# KiCad board poly_kb.kicad_pcb (continued)
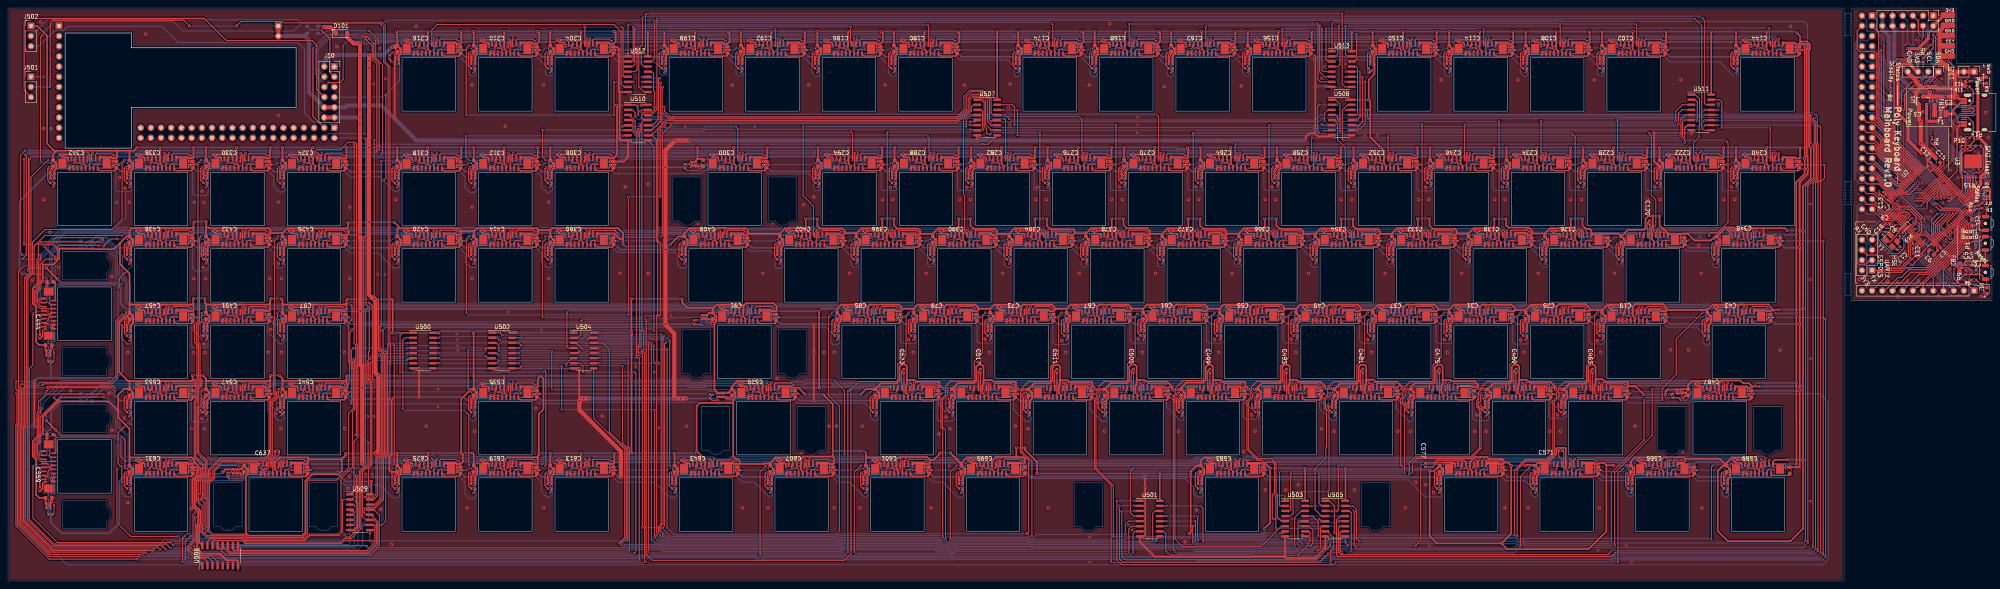
[diagram p0: board, top side]
## Routing (per net, layer and track width the routed paths; a pad name or vN(x,y) marks a point on that pad's centre or on a via; arc(x,y) is an arc through that point) (continued)
SHIFTR_LATCH_CLK: length 973.1
  Top w0.25: v2(163.46,116.37) 164.59,115.24 236.3,115.24 238.56,117.5 238.56,120.7 239.88,122.02 242.47,122.02 244.4,120.09 244.4,114.94 v2(244.78,114.55) ; v2(157.22,56.71) 156.92,57.02 156.92,58.59 157.27,58.94 157.27,112.02 157.41,112.17 157.41,113.73 v2(157.27,113.87) ; v2(107.36,56.86) 107.33,56.83 U500.12 ; v2(147.29,56.71) 147.17,56.83 U504.12 ; v2(93.96,57.4) 94.1,57.26 94.1,31.75 93.11,30.76 93.11,20.38 91.07,18.33 89.11,18.33 88.66,17.89 88.66,16.98 89.13,16.51 U509.12 90.38,16.51 92.1,14.8 92.1,9.16 89.76,6.82 55.17,6.82 53.46,8.53 U506.12 ; 159.32,113.67 160.54,113.67 v2(160.75,113.89) 161.87,115.01 v2(161.87,116.76) 161.97,116.87 161.97,125.07 v2(162.28,125.37) ; v2(91.18,109.97) 91.18,71.18 92.25,70.11 92.25,57.59 v2(92.46,57.38) ; U512.12 159.29,125.7 v2(157.94,125.7) ; v2(127.2,56.84) 127.19,56.83 U502.12
  Top w0.254: v2(336.68,127.03) 336.68,115.74 v2(336.11,115.17) 335.88,114.94 U508.12 ; v2(422.53,116.26) 422.57,116.21 U511.12 425.47,116.21 v2(425.48,116.21) ; U507.12 245.17,114.94 v2(244.78,114.55) ; v2(449.12,116.21) 448.91,115.99 448.91,109.23 449.58,108.57 449.58,100.39 447.62,98.44 447.62,29.91 447.57,29.86 v2(447.57,9.98) ; U513.12 334.56,127.03 v2(333.15,127.03) ; v2(322.27,9.32) 321.2,10.38 321.2,14.55 321.58,14.92 U503.12 321.58,14.92 v2(321.54,14.88) ; U501.12 288.43,14.92 v2(288.44,14.91) ; U505.12 331.52,14.92 v2(331.51,14.92) ; v2(295.63,14.86) 295.7,14.79 295.7,10.26 v2(295.59,10.15)
  Top w0.292: U2.80 474.89,102.45 474.88,102.45 474.87,102.46 474.87,102.47 472.36,104.98 472.35,104.98 468.33,109 468.33,112.22 465.38,115.18 465.38,131.37 464.74,132.01 461.22,132.01 460.45,132.78 460.45,137.23 J7.4
  Bottom w0.25: v2(161.87,116.76) 163.06,116.76 v2(163.46,116.37) ; v2(157.27,113.87) 160.73,113.87 v2(160.75,113.89) ; J12.4 79.85,111.6 89.56,111.6 v2(91.18,109.97) ; v2(157.94,125.7) 158.27,125.37 v2(162.28,125.37) ; v2(157.22,56.71) v2(147.29,56.71) 142.06,56.71 141.94,56.84 v2(127.2,56.84) 127.17,56.86 v2(107.36,56.86) 106.82,57.4 v2(93.96,57.4) 92.48,57.4 v2(92.46,57.38)
  Bottom w0.254: v2(295.63,14.86) 295.58,14.91 v2(288.44,14.91) ; v2(336.68,127.03) v2(333.15,127.03) ; v2(331.51,14.92) 331.17,14.58 321.84,14.58 v2(321.54,14.88) ; v2(422.53,116.26) 422.23,115.96 400.33,115.96 400.31,115.93 336.87,115.93 v2(336.11,115.17) 335.8,115.47 327.42,115.47 326.5,114.55 v2(244.78,114.55) ; v2(295.59,10.15) 295.59,9.97 296.29,9.26 311.64,9.26 311.95,9.57 322.01,9.57 v2(322.27,9.32) 328.33,9.32 328.98,9.97 333.97,9.97 334.61,9.32 375.48,9.32 376.05,9.88 377.22,9.88 377.78,9.32 399.69,9.32 399.87,9.5 447.09,9.5 v2(447.57,9.98) ; v2(449.12,116.21) 448.77,115.85 427.38,115.85 427.02,116.21 v2(425.48,116.21)
SHIFTR_NMASTER_RST: length 140.6
  Top w0.292: U2.77 469.85,109.62 469.85,113.32 467.11,116.06 v2(467.11,133.76)
  Bottom w0.292: J12.1 79.87,114.44 76.03,114.44 73.86,116.61 73.86,132.54 72.11,134.29 42.29,134.29 38.3,138.28 14.74,138.28 13.77,137.3 11.63,137.3 7.68,133.36 J502.3 ; v2(467.11,133.76) 467.11,135.44 465.38,137.16 465.38,139.77 J7.1
SHIFTR_NOE: length 1040.7
  Top w0.25: U506.13 52.19,8.53 53.14,7.58 53.16,7.58 54.3,6.44 90.19,6.44 92.48,8.72 92.48,16.38 91.08,17.78 ; 158.34,114.94 157.78,115.5 157.78,116.31 158.41,116.93 160.36,116.93 160.93,117.5 v2(160.93,118.14) 160.93,122.1 160.75,122.28 160.75,126.55 160.29,127.01 U512.13 ; 158.34,114.94 U510.13 ; 158.34,114.94 157.83,114.43 157.83,62.65 157.66,62.47 157.66,58.5 v2(157.48,58.32) ; U507.13 245.34,116.21 244.78,116.77 244.78,120.29 242.67,122.4 239.55,122.4 238.02,120.88 238.02,117.58 236.14,115.7 164.92,115.7 163.47,117.14 v2(163.47,118.14) ; v1(45.19,138.35) 43.71,139.83 41.68,139.83 ; U504.13 147.07,58.1 v2(147.29,58.32) ; v1(56.87,138.38) 58.03,139.54 68.36,139.54 68.72,139.18 92.41,139.18 93.52,138.06 93.52,129.33 94.64,128.22 94.64,108.49 94.67,108.46 94.67,59.13 94.64,59.11 v2(94.64,58.67) 94.53,58.56 94.53,46.15 94.48,46.1 94.48,31.6 93.49,30.61 93.49,20.19 91.08,17.78 ; U502.13 v2(127.2,58.1) ; 91.08,17.78 U509.13 ; v2(107.36,58.1) U500.13
  Top w0.254: v2(450.09,7.98) 450.09,99.28 450.72,99.92 450.72,109.05 450.52,109.25 450.52,114.37 450.55,114.39 450.55,115.85 v2(450.06,116.33) ; v2(249.33,115.23) 248.35,116.21 U507.13 ; v2(400.15,6.96) 399.31,6.12 331.21,6.12 330.81,6.52 330.81,15.24 v2(331.67,16.1) 332.9,16.1 U505.13 ; U503.13 323,16.18 v2(324.79,16.18) 326.25,14.72 v2(326.25,11.16) ; v2(296.33,10.14) 296.21,10.25 v2(296.21,16.15) ; U513.13 335.6,128.28 336.04,127.84 v2(336.04,116.21) 334.59,116.21 U508.13 ; v2(288.52,16.18) 288.51,16.19 U501.13 ; v2(425.68,117.45) 424.15,117.45 U511.13 422.59,117.48 v2(422.58,117.48)
  Top w0.292: v2(10.49,123.22) 10.49,125.19 10.52,125.21 10.52,139.14 11.2,139.83 41.68,139.83
  Bottom w0.25: v2(157.48,58.32) v2(147.29,58.32) 142.79,58.32 142.57,58.1 v2(127.2,58.1) v2(107.36,58.1) 106.79,58.67 v2(94.64,58.67) ; v2(160.93,118.14) v2(163.47,118.14) ; v1(45.19,138.35) 45.21,138.38 v1(56.87,138.38)
  Bottom w0.254: v2(326.25,11.16) 325.58,10.49 313.03,10.49 312.93,10.39 296.58,10.39 v2(296.33,10.14) ; v2(450.09,7.98) 449.25,7.13 400.33,7.13 v2(400.15,6.96) ; v2(296.21,16.15) 296.19,16.18 v2(288.52,16.18) ; v2(249.33,115.23) 249.61,114.95 325.62,114.95 326.87,116.21 v2(336.04,116.21) 336.47,116.21 336.59,116.32 400.15,116.32 400.18,116.34 421.45,116.34 v2(422.58,117.48) ; v2(425.68,117.45) 426.72,117.45 427.91,116.26 446.94,116.26 447.48,116.79 449.61,116.79 v2(450.06,116.33) ; v2(324.79,16.18) 331.6,16.18 v2(331.67,16.1)
  Bottom w0.292: v2(10.49,123.22) 10.47,123.2 J501.2
SHIFTR_RST: length 1030.4
  Top w0.25: v2(107.36,54.32) 107.33,54.29 U500.10 ; v2(127.2,54.29) U502.10 ; v2(157.96,123.19) 159.31,123.19 U512.10 ; v2(244.83,112.42) 243.46,113.79 243.46,119.48 242.03,120.9 240.28,120.9 239.52,120.14 239.52,117.39 236.33,114.2 164.05,114.2 163.77,113.92 162.99,113.92 162.97,113.94 ; v2(162.99,123.16) 162.99,122.73 162.86,122.61 162.86,114.05 162.97,113.94 ; v2(162.02,54.22) 161.57,54.67 161.57,66.33 161.77,66.54 161.77,84.41 161.44,84.74 161.44,110.07 160.37,111.13 U510.10 160.15,111.13 162.97,113.94 ; U509.10 89.36,13.97 ; U509.10 91.08,13.97 91.33,13.71 91.33,9.62 89.3,7.58 56.26,7.58 56,7.84 U506.10 ; U509.10 88.88,13.97 v2(88.87,13.98) ; v2(93.08,13.96) 94.05,14.92 94.05,30.63 94.86,31.44 94.86,45.94 95.1,46.18 v2(95.1,54.31) 95.1,54.74 95.2,54.84 95.2,58.97 95.1,59.07 95.1,128.32 93.93,129.49 93.93,138.49 v2(93.04,139.37) ; U504.10 147.34,54.29 v2(147.34,54.3)
  Top w0.254: v2(321.16,6.37) 323.69,8.9 323.69,9.47 324.22,10 324.22,12.13 323.97,12.38 U503.10 ; v2(450.7,7.49) 450.7,99.35 451.39,100.04 451.39,113.16 v2(451.09,113.46) ; U501.10 287.77,12.38 288.3,11.86 288.3,7.44 v2(288.67,7.06) ; U505.10 332.02,12.38 331.7,12.06 331.7,7.54 v2(332.11,7.13) ; v2(425.63,113.67) 424.12,113.67 U511.10 422.59,113.67 v2(422.55,113.64) ; 334.58,112.4 335.93,112.4 v2(336.14,112.62) 336.57,112.62 337.95,113.99 v2(337.95,124.46) ; U513.10 334.56,124.49 v2(333.1,124.49) ; 246.31,112.4 244.85,112.4 v2(244.83,112.42)
  Bottom w0.25: v2(95.1,54.31) 95.11,54.32 v2(107.36,54.32) 107.38,54.29 v2(127.2,54.29) 138.71,54.29 138.72,54.3 v2(147.34,54.3) ; v2(162.99,123.16) 162.97,123.19 v2(157.96,123.19) ; v2(93.08,13.96) 93.06,13.98 v2(88.87,13.98) ; v2(162.02,54.22) 161.94,54.3 v2(147.34,54.3) ; v2(147.34,54.3) 147.34,54.29 147.36,54.27
  Bottom w0.254: v2(425.63,113.67) 450.88,113.67 v2(451.09,113.46) ; v2(450.7,7.49) 449.9,6.7 400.72,6.7 400.42,6.39 399.89,6.39 399.71,6.58 332.66,6.58 v2(332.11,7.13) 329.93,7.13 329.1,6.31 321.21,6.31 v2(321.16,6.37) 309.85,6.37 309.63,6.59 289.14,6.59 v2(288.67,7.06) ; v2(244.83,112.42) 324.71,112.42 325.12,112.83 335.5,112.83 335.71,112.62 v2(336.14,112.62) 421.53,112.62 v2(422.55,113.64) ; v2(337.95,124.46) 333.12,124.46 v2(333.1,124.49)
  Bottom w0.292: v2(93.04,139.37) 72.72,139.37 72.15,139.94 9.76,139.94 J502.2
SPI1_MISO: length 63.4
  Top w0.292: U2.31 479.99,86.75 479.99,88.83 482.55,91.39 v2(482.55,91.49)
  Bottom w0.292: v2(482.55,91.49) 482.55,91.71 487.81,96.97 487.81,101.89 480.83,108.86 480.83,113 480.29,113.54 480.29,120.42 481.95,122.08 481.95,123.42 479.35,126.02 479.35,128.78 474.34,133.78 J3.6
SPI1_MOSI: length 66.9
  Top w0.292: v2(476.13,136.18) 475.69,136.62 475.69,139.63 J3.5 ; v2(483.43,91.67) 483.43,91.41 480.48,88.45 480.48,86.96 U2.32
  Bottom w0.292: v2(476.13,136.18) 475.82,135.88 475.82,133 480.41,128.41 482.05,128.41 482.44,128.02 482.44,121.87 480.78,120.22 480.78,113.74 481.33,113.2 481.33,109.07 488.3,102.09 488.3,96.69 483.43,91.83 v2(483.43,91.67)
SPI1_RESET: length 63.1
  Top w0.292: U2.33 480.97,87.18 480.97,88.25 484.35,91.63 v2(484.35,91.8) ; J3.4 476.89,135.81 v2(476.59,135.52)
  Bottom w0.292: v2(476.59,135.52) 476.59,132.93 480.61,128.91 482.25,128.91 482.93,128.22 482.93,121.67 481.28,120.01 481.28,113.95 481.82,113.4 481.82,109.27 488.79,102.3 488.79,96.23 v2(484.35,91.8)
SPI1_SCK: length 67.6
  Top w0.292: U2.30 479.5,86.53 479.5,89.3 v2(481.66,91.46)
  Bottom w0.292: J3.7 473,139.77 473,134.37 476.89,130.49 476.89,126.37 477.52,125.73 478.79,125.73 481.2,123.32 481.2,122.03 479.8,120.62 479.8,113.34 480.34,112.79 480.34,108.66 487.15,101.85 487.15,97.02 481.66,91.54 v2(481.66,91.46)
SPI1_SS: length 175.7
  Top w0.292: v2(480.36,91.52) 479.01,90.16 479.01,86.32 U2.29 ; J10.8 76.89,122.5 76.89,133.65 75.78,134.76 54.36,134.76 48.84,140.28 4.83,140.28 4.01,139.47 4.01,122.36 J501.3
  Bottom w0.292: v2(480.36,91.52) 480.8,91.52 486.44,97.16 480.12,103.47 480.12,108.19 479.85,108.45 479.85,112.59 479.31,113.13 479.31,120.83 480.71,122.23 480.71,123.11 478.59,125.24 476.68,125.24 476.5,125.42 475.17,125.42 474.42,126.17 474.42,128.49 471.81,131.1 J3.8
SPI2_MISO: length 16.8
  Top w0.292: U2.53 488.03,96.4 488.03,101.47 487.41,102.09 486.81,102.09 486.54,102.36 486.54,106.68 487.13,107.27 488.76,107.27 U3.2
SPI2_MOSI: length 5.3
  Top w0.292: U3.5 487.43,96.51 U2.54
SPI2_SCK: length 6.2
  Top w0.292: U2.52 488.62,96.28 488.62,100.73 U3.6
SPI2_SS: length 16.4
  Top w0.292: 491.24,108.49 491.85,107.88 491.85,102.65 491.04,101.84 489.74,101.84 489.33,101.43 489.33,98.8 489.11,98.58 489.11,96.07 U2.51
SPI3_SS: length 49.3
  Top w0.292: v2(484.64,128.24) 484.53,128.24 v2(483.2,129.58) ; v2(485.32,108.97) 485.32,102.18 U2.65
  Top w1: 479.55,141.1 J3.1
  Bottom w0.292: v2(485.32,108.97) 485.32,111.99 482.75,114.56 482.75,119.4 484.64,121.29 v2(484.64,128.24) ; J3.1 478.09,139.63 478.09,137.61 477.46,136.98 477.46,136.27 478.09,135.64 478.09,132.82 481.02,129.89 482.88,129.89 v2(483.2,129.58)
SWCLK: length 35.3
  Top w0.3: 469.99,128.33 469.66,128 469.66,114.39 470.54,113.51 470.54,109.64 476.3,103.87 ; 469.99,128.33 471.29,129.63 473.76,129.63 473.98,129.41 R5.1 ; 469.99,128.33 470.2,128.55
SWDIO: length 8.8
  Top w0.292: U2.72 482.05,103.86 482.05,106.04 R4.1
SWO: length 25
  Top w0.292: R8.1 468.76,121.92 v2(468.76,120.32) ; v2(470.13,100.46) 470.52,100.46 U2.89
  Bottom w0.292: v2(468.76,120.32) 468.83,120.25 468.83,101.76 v2(470.13,100.46)
USART1_RX: length 40.4
  Top w0.292: v2(475.19,96.74) 476.55,96.74 479.97,100.17 480.48,100.17 U2.69
  Bottom w0.292: v2(475.19,96.74) 474.83,96.74 471.91,99.66 470.01,99.66 468.33,101.33 468.33,119.04 J7.15
USART1_TX: length 43.6
  Top w0.292: v2(476.2,96.09) 476.63,96.09 480.21,99.67 480.69,99.67 U2.68
  Bottom w0.292: v2(476.2,96.09) 474.79,96.09 471.71,99.17 469.8,99.17 467.84,101.13 467.84,118.76 464.76,121.85 462.99,121.85 J7.16
USART2_RX: length 25.7
  Top w0.292: U2.26 478.67,83.9 476.57,81.79 476.57,81.12 474.32,78.88 v2(473.78,78.88)
  Bottom w0.292: J5.8 462.84,83.89 462.84,79.58 463.61,78.81 464.76,78.81 465.28,79.33 473.32,79.33 v2(473.78,78.88)
USART2_TX: length 16.7
  Top w0.292: U2.25 476.07,83.03 476.07,81.33 475.74,80.99 474.82,80.99 471.31,77.47 464.82,77.47 464.19,78.11
USART6_RX: length 40.7
  Top w0.292: v2(476.28,93.47) 476.28,93.53 480.95,98.2 481.33,98.2 481.84,98.71 482.56,98.71 U2.64 483.19,99.35
  Bottom w0.292: J7.19 466.37,115.93 466.37,100.52 469.19,97.69 471.1,97.69 475.32,93.47 v2(476.28,93.47)
USART6_TX: length 44.7
  Top w0.292: v2(477.88,93.12) 477.88,94.44 481.15,97.7 481.53,97.7 482.05,98.22 482.78,98.22 U2.63
  Bottom w0.292: v2(477.88,93.12) 477.58,92.81 475.28,92.81 470.89,97.2 468.99,97.2 465.87,100.31 465.87,115.65 464.76,116.77 462.99,116.77 J7.20
USB_D+: length 23.9
  Top w0.2: J2.A6 486.49,116.59 486.46,116.56 486.05,116.56 484.1,114.62 484.1,105.17 480.76,101.82 U2.71
  Top w0.292: J2.A6 488.93,116.59 489.58,117.23 489.58,117.56 489.24,117.9 488.39,117.9 488.08,117.59 J2.B6
USB_D-: length 23.3
  Top w0.2: J2.B7 486.49,116.09 486.46,116.12 486.23,116.12 484.55,114.44 484.55,104.98 481.07,101.5 U2.70
  Top w0.292: v2(488.67,117.25) 488.51,117.09 J2.A7 ; v2(489.64,116.36) 489.38,116.09 J2.B7
  Bottom w0.292: v2(489.64,116.36) 489.56,116.36 v2(488.67,117.25)
Net-(C14-Pad1): length 2.5
  Top w0.292: U2.49 489.08,90.39 C14.1
Net-(C15-Pad1): length 2.3
  Top w0.292: U2.73 481.14,103.66 C15.1
Net-(C17-Pad1): length 3.5
  Top w0.292: 471.06,86.13 471.06,85.33 Y1.3 470.39,84.14 C17.1
Net-(C18-Pad1): length 12.4
  Top w0.292: C18.1 395.66,61.85 395.66,64.75 v2(395.96,65.06) ; J13.4 402.24,66.92 v2(402.24,66.02)
  Bottom w0.292: v2(395.96,65.06) 396.71,65.81 401.01,65.81 401.22,66.02 v2(402.24,66.02)
Net-(C18-Pad2): length 11.7
  Top w0.292: 402.71,64.77 402.99,64.77 J13.5 ; v2(396.88,60.04) 397.32,60.47 C18.2
  Bottom w0.292: 402.71,64.77 402.55,64.61 397.66,64.61 397.09,64.04 397.09,60.25 v2(396.88,60.04)
  vias: v2(402.7,64.77)
Net-(C19-Pad1): length 4.7
  Top w0.292: C19.1 399.64,68.29 403.08,68.29 403.56,67.81 J13.6
Net-(C19-Pad2): length 8.1
  Top w0.292: J13.7 404.06,65.84 403.73,66.18 v2(403.01,66.18) ; v2(400.76,66.41) 400.76,67.27 400.44,67.59 399.31,67.59 C19.2
  Bottom w0.292: v2(400.76,66.41) 400.93,66.57 401.93,66.57 401.96,66.6 402.58,66.6 v2(403.01,66.18)
Net-(C21-Pad1): length 5.5
  Top w0.292: J13.15 408.7,64.21 411.63,64.21 411.63,64.21 412.43,64.21 412.71,64.49 C21.1
Net-(C24-Pad1): length 12.4
  Top w0.292: C24.1 376.61,61.85 376.61,64.75 v2(376.91,65.06) ; J14.4 383.17,66.9 v2(383.17,66.01)
  Bottom w0.292: v2(383.17,66.01) 382.18,66.01 381.99,65.83 377.68,65.83 v2(376.91,65.06)
Net-(C24-Pad2): length 11.7
  Top w0.292: 383.66,64.77 383.94,64.77 J14.5 ; v2(377.83,60.04) 378.27,60.47 C24.2
  Bottom w0.292: 383.66,64.77 383.5,64.61 378.61,64.61 378.04,64.04 378.04,60.25 v2(377.83,60.04)
  vias: v2(383.65,64.77)
Net-(C25-Pad1): length 4.7
  Top w0.292: C25.1 380.59,68.29 384.03,68.29 384.51,67.81 J14.6
Net-(C25-Pad2): length 8.1
  Top w0.292: J14.7 385.01,65.84 384.68,66.18 v2(383.96,66.18) ; C25.2 380.26,67.59 381.39,67.59 381.71,67.27 v2(381.71,66.41)
  Bottom w0.292: v2(383.96,66.18) 383.86,66.18 383.44,66.59 382.89,66.59 382.86,66.57 381.87,66.57 v2(381.71,66.41)
Net-(C27-Pad1): length 5.5
  Top w0.292: J14.15 389.65,64.21 392.58,64.21 392.58,64.21 393.38,64.21 393.66,64.49 C27.1
Net-(C30-Pad1): length 12.4
  Top w0.292: C30.1 357.56,61.85 357.56,64.75 v2(357.86,65.06) ; v2(364.14,66.02) 364.14,66.92 J15.4
  Bottom w0.292: v2(357.86,65.06) 358.61,65.81 362.91,65.81 363.12,66.02 v2(364.14,66.02)
Net-(C30-Pad2): length 11.7
  Top w0.292: 364.61,64.77 364.89,64.77 J15.5 ; v2(358.78,60.04) 359.22,60.47 C30.2
  Bottom w0.292: 364.61,64.77 364.45,64.61 359.56,64.61 358.99,64.04 358.99,60.25 v2(358.78,60.04)
  vias: v2(364.6,64.77)
Net-(C31-Pad1): length 4.7
  Top w0.292: C31.1 361.54,68.29 364.98,68.29 365.46,67.81 J15.6
Net-(C31-Pad2): length 8.1
  Top w0.292: J15.7 365.96,65.84 365.63,66.18 v2(364.91,66.18) ; v2(362.66,66.42) 362.66,67.27 362.34,67.59 361.21,67.59 C31.2
  Bottom w0.292: v2(364.91,66.18) 364.48,66.6 363.86,66.6 363.83,66.57 362.82,66.57 v2(362.66,66.42)
Net-(C33-Pad1): length 5.5
  Top w0.292: J15.15 370.6,64.21 373.53,64.21 373.53,64.21 374.33,64.21 374.61,64.49 C33.1
Net-(C36-Pad1): length 12.3
  Top w0.292: C36.1 338.51,61.85 338.51,64.75 v2(338.81,65.06) ; v2(345.02,66) 345.02,66.85 J16.4
  Bottom w0.292: v2(345.02,66) 344.05,66 343.86,65.81 339.56,65.81 v2(338.81,65.06)
Net-(C36-Pad2): length 11.7
  Top w0.292: 345.56,64.77 345.84,64.77 J16.5 ; v2(339.73,60.04) 340.17,60.47 C36.2
  Bottom w0.292: 345.56,64.77 345.4,64.61 340.51,64.61 339.94,64.04 339.94,60.25 v2(339.73,60.04)
  vias: v2(345.55,64.77)
Net-(C37-Pad1): length 4.7
  Top w0.292: C37.1 342.49,68.29 345.93,68.29 346.41,67.81 J16.6
Net-(C37-Pad2): length 8.1
  Top w0.292: J16.7 346.91,65.84 346.58,66.18 v2(345.86,66.18) ; v2(343.61,66.41) 343.61,67.27 343.29,67.59 342.16,67.59 C37.2
  Bottom w0.292: v2(343.61,66.41) 343.77,66.57 344.73,66.57 344.74,66.58 345.3,66.58 345.7,66.18 v2(345.86,66.18)
Net-(C39-Pad1): length 5.5
  Top w0.292: J16.15 351.55,64.21 354.48,64.21 354.48,64.21 355.28,64.21 355.56,64.49 C39.1
Net-(C42-Pad1): length 12.3
  Top w0.292: C42.1 421.85,61.85 421.85,64.75 v2(422.15,65.06) ; J17.4 428.39,66.88 v2(428.39,66.01)
  Bottom w0.292: v2(428.39,66.01) 427.4,66.01 427.2,65.81 422.91,65.81 v2(422.15,65.06)
Net-(C42-Pad2): length 11.7
  Top w0.292: 428.9,64.77 429.18,64.77 J17.5 ; v2(423.08,60.04) 423.51,60.47 C42.2
  Bottom w0.292: 428.9,64.77 428.74,64.61 423.86,64.61 423.29,64.04 423.29,60.25 v2(423.08,60.04)
  vias: v2(428.9,64.77)
Net-(C43-Pad1): length 4.7
  Top w0.292: C43.1 425.83,68.29 429.27,68.29 429.76,67.81 J17.6
Net-(C43-Pad2): length 8.1
  Top w0.292: J17.7 430.26,65.84 429.92,66.18 v2(429.2,66.18) ; C43.2 425.5,67.59 426.63,67.59 426.95,67.27 v2(426.95,66.42)
  Bottom w0.292: v2(426.95,66.42) 427.11,66.58 428.1,66.58 428.11,66.59 428.67,66.59 429.08,66.18 v2(429.2,66.18)
Net-(C45-Pad1): length 5.5
  Top w0.292: J17.15 434.89,64.21 437.82,64.21 437.82,64.21 438.62,64.21 438.91,64.49 C45.1
Net-(C48-Pad1): length 12.4
  Top w0.292: C48.1 319.46,61.85 319.46,64.75 v2(319.76,65.06) ; v2(326.01,66.01) 326.01,66.89 J18.4
  Bottom w0.292: v2(326.01,66.01) 325.01,66.01 324.81,65.81 320.51,65.81 v2(319.76,65.06)
Net-(C48-Pad2): length 11.7
  Top w0.292: 326.51,64.77 326.79,64.77 J18.5 ; v2(320.68,60.04) 321.12,60.47 C48.2
  Bottom w0.292: 326.51,64.77 326.35,64.61 321.46,64.61 320.89,64.04 320.89,60.25 v2(320.68,60.04)
  vias: v2(326.5,64.77)
Net-(C49-Pad1): length 4.7
  Top w0.292: C49.1 323.44,68.29 326.88,68.29 327.36,67.81 J18.6
Net-(C49-Pad2): length 8.1
  Top w0.292: J18.7 327.86,65.84 327.53,66.18 v2(326.81,66.18) ; C49.2 323.11,67.59 324.24,67.59 324.56,67.27 v2(324.56,66.41)
  Bottom w0.292: v2(324.56,66.41) 324.72,66.57 325.71,66.57 325.73,66.59 326.29,66.59 326.7,66.18 v2(326.81,66.18)
Net-(C51-Pad1): length 5.5
  Top w0.292: J18.15 332.5,64.21 335.43,64.21 335.43,64.21 336.23,64.21 336.51,64.49 C51.1
Net-(C54-Pad1): length 12.3
  Top w0.292: C54.1 300.41,61.85 300.41,64.75 v2(300.71,65.06) ; v2(306.9,65.99) 306.9,66.83 J19.4
  Bottom w0.292: v2(300.71,65.06) 301.48,65.82 305.79,65.82 305.95,65.99 v2(306.9,65.99)
Net-(C54-Pad2): length 11.7
  Top w0.292: 307.46,64.77 307.74,64.77 J19.5 ; v2(301.63,60.04) 302.07,60.47 C54.2
  Bottom w0.292: 307.46,64.77 307.3,64.61 302.41,64.61 301.84,64.04 301.84,60.25 v2(301.63,60.04)
  vias: v2(307.45,64.77)
Net-(C55-Pad1): length 4.7
  Top w0.292: C55.1 304.39,68.29 307.83,68.29 308.31,67.81 J19.6
Net-(C55-Pad2): length 8.1
  Top w0.292: J19.7 308.81,65.84 308.48,66.18 v2(307.76,66.18) ; v2(305.51,66.4) 305.51,67.27 305.19,67.59 304.06,67.59 C55.2
  Bottom w0.292: v2(305.51,66.4) 305.67,66.57 306.62,66.57 306.62,66.57 307.18,66.57 307.57,66.18 v2(307.76,66.18)
Net-(C57-Pad1): length 5.5
  Top w0.292: J19.15 313.45,64.21 316.38,64.21 316.38,64.21 317.18,64.21 317.46,64.49 C57.1
Net-(C60-Pad1): length 12.4
  Top w0.292: C60.1 281.36,61.85 281.36,64.75 v2(281.66,65.06) ; J20.4 287.93,66.91 v2(287.93,66.02)
  Bottom w0.292: v2(287.93,66.02) 287.03,66.02 286.72,65.71 282.31,65.71 v2(281.66,65.06)
Net-(C60-Pad2): length 11.7
  Top w0.292: 288.41,64.77 288.69,64.77 J20.5 ; v2(282.58,60.04) 283.02,60.47 C60.2
  Bottom w0.292: 288.41,64.77 288.25,64.61 283.36,64.61 282.79,64.04 282.79,60.25 v2(282.58,60.04)
  vias: v2(288.4,64.77)
Net-(C61-Pad1): length 4.7
  Top w0.292: C61.1 285.34,68.29 288.78,68.29 289.26,67.81 J20.6
Net-(C61-Pad2): length 8.2
  Top w0.292: J20.7 289.76,65.84 289.43,66.18 v2(288.71,66.18) ; v2(286.46,66.29) 286.46,67.27 286.14,67.59 285.01,67.59 C61.2
  Bottom w0.292: v2(286.46,66.29) 286.62,66.45 287.5,66.45 287.65,66.6 288.21,66.6 288.63,66.18 v2(288.71,66.18)
Net-(C63-Pad1): length 5.5
  Top w0.292: J20.15 294.4,64.21 297.33,64.21 297.33,64.21 298.13,64.21 298.41,64.49 C63.1
Net-(C66-Pad1): length 12.4
  Top w0.292: C66.1 262.31,61.85 262.31,64.75 v2(262.61,65.06) ; v2(268.89,66.02) 268.89,66.93 J21.4
  Bottom w0.292: v2(268.89,66.02) 267.87,66.02 267.66,65.81 263.36,65.81 v2(262.61,65.06)
Net-(C66-Pad2): length 11.7
  Top w0.292: 269.36,64.77 269.64,64.77 J21.5 ; v2(263.53,60.04) 263.97,60.47 C66.2
  Bottom w0.292: 269.36,64.77 269.2,64.61 264.31,64.61 263.74,64.04 263.74,60.25 v2(263.53,60.04)
  vias: v2(269.35,64.77)
Net-(C67-Pad1): length 4.7
  Top w0.292: C67.1 266.29,68.29 269.73,68.29 270.21,67.81 J21.6
Net-(C67-Pad2): length 8.1
  Top w0.292: J21.7 270.71,65.84 270.38,66.18 v2(269.66,66.18) ; C67.2 265.96,67.59 267.09,67.59 267.41,67.27 v2(267.41,66.42)
  Bottom w0.292: v2(267.41,66.42) 267.57,66.58 268.59,66.58 268.61,66.6 269.23,66.6 v2(269.66,66.18)
Net-(C69-Pad1): length 5.5
  Top w0.292: J21.15 275.35,64.21 278.28,64.21 278.28,64.21 279.08,64.21 279.36,64.49 C69.1
Net-(C72-Pad1): length 12.4
  Top w0.292: C72.1 243.26,61.85 243.26,64.75 v2(243.56,65.06) ; v2(249.81,66.01) 249.81,66.9 J22.4
  Bottom w0.292: v2(249.81,66.01) 248.81,66.01 248.61,65.81 244.31,65.81 v2(243.56,65.06)
Net-(C72-Pad2): length 11.7
  Top w0.292: 250.31,64.77 250.59,64.77 J22.5 ; v2(244.48,60.04) 244.92,60.47 C72.2
  Bottom w0.292: 250.31,64.77 250.15,64.61 245.26,64.61 244.69,64.04 244.69,60.25 v2(244.48,60.04)
  vias: v2(250.3,64.77)
Net-(C73-Pad1): length 4.7
  Top w0.292: C73.1 247.24,68.29 250.68,68.29 251.16,67.81 J22.6
Net-(C73-Pad2): length 8.1
  Top w0.292: J22.7 251.66,65.84 251.33,66.18 v2(250.61,66.18) ; v2(248.36,66.41) 248.36,67.27 248.04,67.59 246.91,67.59 C73.2
  Bottom w0.292: v2(248.36,66.41) 248.52,66.57 249.51,66.57 249.53,66.59 250.09,66.59 250.51,66.18 v2(250.61,66.18)
Net-(C75-Pad1): length 5.5
  Top w0.292: J22.15 256.3,64.21 259.23,64.21 259.23,64.21 260.03,64.21 260.31,64.49 C75.1
Net-(C78-Pad1): length 12.4
  Top w0.292: C78.1 224.21,61.85 224.21,64.75 v2(224.51,65.06) ; J23.4 230.77,66.9 v2(230.77,66.01)
  Bottom w0.292: v2(224.51,65.06) 225.26,65.81 229.56,65.81 229.76,66.01 v2(230.77,66.01)
Net-(C78-Pad2): length 11.7
  Top w0.292: 231.26,64.77 231.54,64.77 J23.5 ; v2(225.43,60.04) 225.87,60.47 C78.2
  Bottom w0.292: 231.26,64.77 231.1,64.61 226.21,64.61 225.64,64.04 225.64,60.25 v2(225.43,60.04)
  vias: v2(231.25,64.77)
Net-(C79-Pad1): length 4.7
  Top w0.292: C79.1 228.19,68.29 231.63,68.29 232.11,67.81 J23.6
Net-(C79-Pad2): length 8.1
  Top w0.292: J23.7 232.61,65.84 232.28,66.18 v2(231.56,66.18) ; v2(229.31,66.41) 229.31,67.27 228.99,67.59 227.86,67.59 C79.2
  Bottom w0.292: v2(231.56,66.18) 231.46,66.18 231.04,66.59 230.49,66.59 230.46,66.57 229.47,66.57 v2(229.31,66.41)
Net-(C81-Pad1): length 5.5
  Top w0.292: J23.15 237.25,64.21 240.18,64.21 240.18,64.21 240.98,64.21 241.26,64.49 C81.1
Net-(C84-Pad1): length 12.4
  Top w0.292: C84.1 205.16,61.85 205.16,64.75 v2(205.46,65.06) ; J24.4 211.76,66.95 v2(211.76,66.03)
  Bottom w0.292: v2(211.76,66.03) 210.67,66.03 210.46,65.81 206.21,65.81 v2(205.46,65.06)
Net-(C84-Pad2): length 11.7
  Top w0.292: 212.21,64.77 212.49,64.77 J24.5 ; v2(206.38,60.04) 206.82,60.47 C84.2
  Bottom w0.292: 212.21,64.77 212.05,64.61 207.16,64.61 206.59,64.04 206.59,60.25 v2(206.38,60.04)
  vias: v2(212.2,64.77)
Net-(C85-Pad1): length 4.7
  Top w0.292: C85.1 209.14,68.29 212.58,68.29 213.06,67.81 J24.6
Net-(C85-Pad2): length 8
  Top w0.292: J24.7 213.56,65.84 213.23,66.18 v2(212.51,66.18) ; C85.2 208.81,67.59 209.94,67.59 210.26,67.27 v2(210.26,66.43)
  Bottom w0.292: v2(210.26,66.43) 210.42,66.59 211.47,66.59 211.48,66.61 212.08,66.61 v2(212.51,66.18)
Net-(C87-Pad1): length 5.5
  Top w0.292: J24.15 218.2,64.21 221.13,64.21 221.13,64.21 221.93,64.21 222.21,64.49 C87.1
Net-(C90-Pad1): length 11.8
  Top w0.292: v2(180.76,66.01) 180.76,66.9 J25.4 ; C90.1 170.82,65.02 v2(171.68,65.02)
  Bottom w0.292: v2(171.68,65.02) 174.47,65.02 175.28,65.83 179.58,65.83 179.77,66.01 v2(180.76,66.01)
Net-(C90-Pad2): length 11.4
  Top w0.254: v2(172.9,63.88) 170.94,63.88 C90.2
  Top w0.292: 181.25,64.77 181.53,64.77 J25.5
  Bottom w0.25: 176.21,64.61 175.48,63.88 v2(172.9,63.88) 172.9,63.88 173.02,63.88
  Bottom w0.292: 181.25,64.77 181.09,64.61 176.21,64.61
  vias: v2(181.25,64.77)
Net-(C91-Pad1): length 4.7
  Top w0.292: C91.1 178.18,68.29 181.62,68.29 182.11,67.81 J25.6
Net-(C91-Pad2): length 8.1
  Top w0.292: J25.7 182.61,65.84 182.27,66.18 v2(181.55,66.18) ; v2(179.3,66.41) 179.3,67.27 178.98,67.59 177.85,67.59 C91.2